# KiCad board motherboard.kicad_pcb (continued)
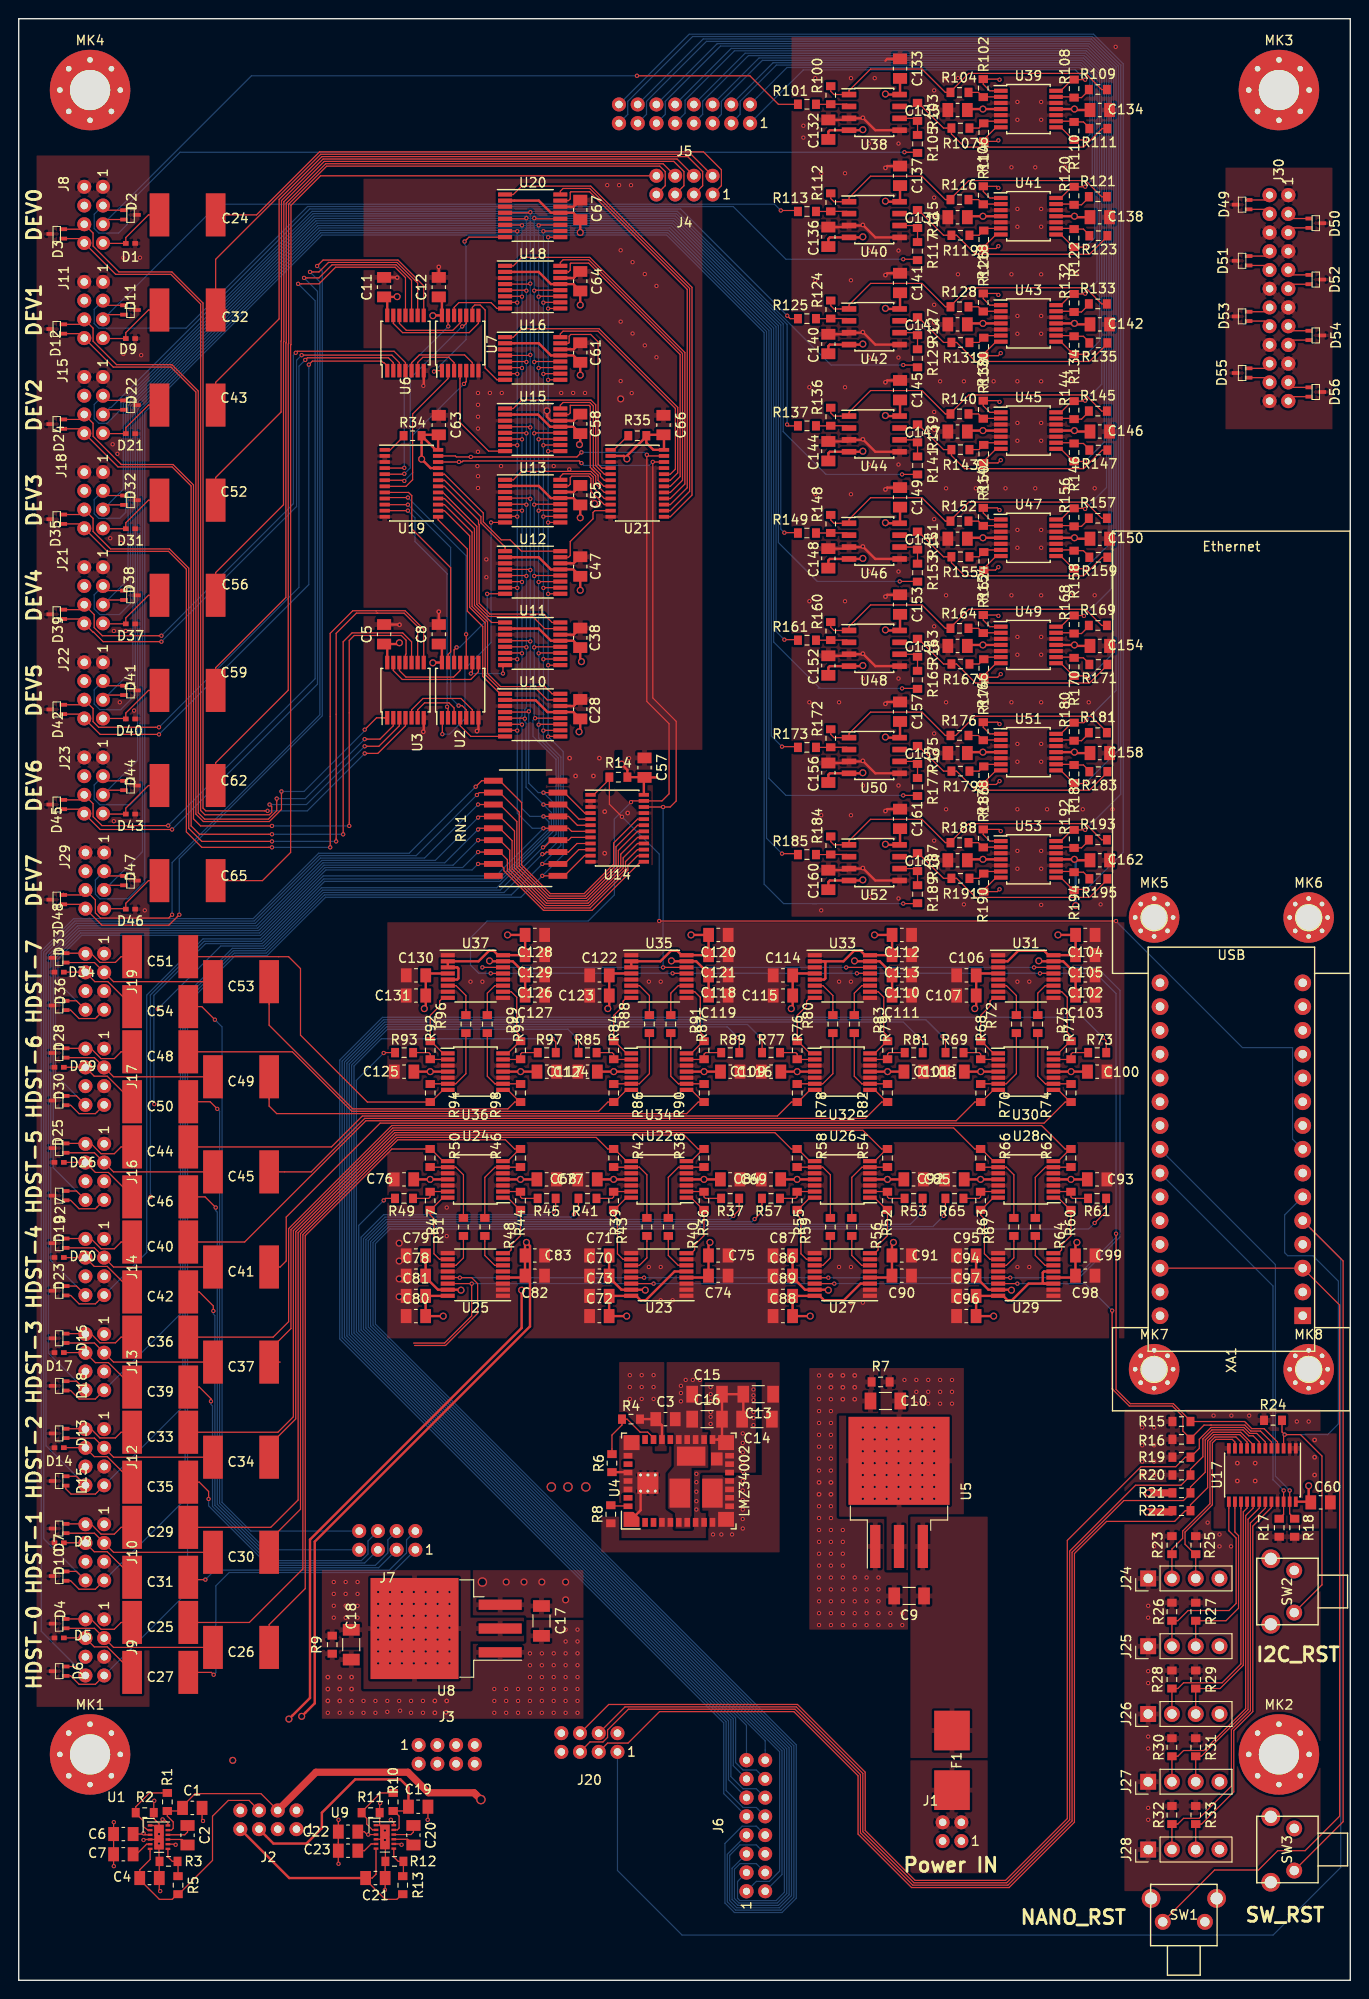
[diagram p0: board, top side]
## Placement (name value [footprint] x y rotation side) (continued)
R31  4k7Ω  [R_0603_1608Metric_Pad0.84x1.00mm_HandSolder]  125.73 24.89 270 top
R32  4k7Ω  [R_0603_1608Metric_Pad0.84x1.00mm_HandSolder]  123.19 17.65 270 top
R33  4k7Ω  [R_0603_1608Metric_Pad0.84x1.00mm_HandSolder]  125.73 17.65 270 top
R34  10kΩ  [R_0603_1608Metric_Pad0.84x1.00mm_HandSolder]  42.08 165 180 top
R35  10kΩ  [R_0603_1608Metric_Pad0.84x1.00mm_HandSolder]  66.08 165 180 top
R36  100kΩ  [R_0603_1608Metric_Pad0.84x1.00mm_HandSolder]  73.2 83.27 90 top
R37  100kΩ  [R_0603_1608Metric_Pad0.84x1.00mm_HandSolder]  75.99 83.53 0 top
R38  100kΩ  [R_0603_1608Metric_Pad0.84x1.00mm_HandSolder]  73.2 87.84 270 top
R39  100kΩ  [R_0603_1608Metric_Pad0.84x1.00mm_HandSolder]  63.55 83.27 90 top
R40  10kΩ  [R_0603_1608Metric_Pad0.84x1.00mm_HandSolder]  69.39 80.48 270 top
R41  100kΩ  [R_0603_1608Metric_Pad0.84x1.00mm_HandSolder]  60.75 83.53 180 top
R42  100kΩ  [R_0603_1608Metric_Pad0.84x1.00mm_HandSolder]  63.55 87.84 270 top
R43  10kΩ  [R_0603_1608Metric_Pad0.84x1.00mm_HandSolder]  67.1 80.48 270 top
R44  100kΩ  [R_0603_1608Metric_Pad0.84x1.00mm_HandSolder]  53.6 83.27 90 top
R45  100kΩ  [R_0603_1608Metric_Pad0.84x1.00mm_HandSolder]  56.39 83.53 0 top
R46  100kΩ  [R_0603_1608Metric_Pad0.84x1.00mm_HandSolder]  53.6 87.84 270 top
R47  100kΩ  [R_0603_1608Metric_Pad0.84x1.00mm_HandSolder]  43.95 83.27 90 top
R48  10kΩ  [R_0603_1608Metric_Pad0.84x1.00mm_HandSolder]  49.79 80.48 270 top
R49  100kΩ  [R_0603_1608Metric_Pad0.84x1.00mm_HandSolder]  41.15 83.53 180 top
R50  100kΩ  [R_0603_1608Metric_Pad0.84x1.00mm_HandSolder]  43.95 87.84 270 top
R51  10kΩ  [R_0603_1608Metric_Pad0.84x1.00mm_HandSolder]  47.5 80.48 270 top
R52  100kΩ  [R_0603_1608Metric_Pad0.84x1.00mm_HandSolder]  92.8 83.27 90 top
R53  100kΩ  [R_0603_1608Metric_Pad0.84x1.00mm_HandSolder]  95.59 83.53 0 top
R54  100kΩ  [R_0603_1608Metric_Pad0.84x1.00mm_HandSolder]  92.8 87.84 270 top
R55  100kΩ  [R_0603_1608Metric_Pad0.84x1.00mm_HandSolder]  83.15 83.27 90 top
R56  10kΩ  [R_0603_1608Metric_Pad0.84x1.00mm_HandSolder]  88.99 80.48 270 top
R57  100kΩ  [R_0603_1608Metric_Pad0.84x1.00mm_HandSolder]  80.35 83.53 180 top
R58  100kΩ  [R_0603_1608Metric_Pad0.84x1.00mm_HandSolder]  83.15 87.84 270 top
R59  10kΩ  [R_0603_1608Metric_Pad0.84x1.00mm_HandSolder]  86.7 80.48 270 top
R60  100kΩ  [R_0603_1608Metric_Pad0.84x1.00mm_HandSolder]  112.4 83.27 90 top
R61  100kΩ  [R_0603_1608Metric_Pad0.84x1.00mm_HandSolder]  115.19 83.53 0 top
R62  100kΩ  [R_0603_1608Metric_Pad0.84x1.00mm_HandSolder]  112.4 87.84 270 top
R63  100kΩ  [R_0603_1608Metric_Pad0.84x1.00mm_HandSolder]  102.75 83.27 90 top
R64  10kΩ  [R_0603_1608Metric_Pad0.84x1.00mm_HandSolder]  108.59 80.48 270 top
R65  100kΩ  [R_0603_1608Metric_Pad0.84x1.00mm_HandSolder]  99.95 83.53 180 top
R66  100kΩ  [R_0603_1608Metric_Pad0.84x1.00mm_HandSolder]  102.75 87.84 270 top
R67  10kΩ  [R_0603_1608Metric_Pad0.84x1.00mm_HandSolder]  106.3 80.48 270 top
R68  100kΩ  [R_0603_1608Metric_Pad0.84x1.00mm_HandSolder]  102.76 99.36 270 top
R69  100kΩ  [R_0603_1608Metric_Pad0.84x1.00mm_HandSolder]  99.97 99.1 180 top
R70  100kΩ  [R_0603_1608Metric_Pad0.84x1.00mm_HandSolder]  102.76 94.78 90 top
R71  100kΩ  [R_0603_1608Metric_Pad0.84x1.00mm_HandSolder]  112.41 99.36 270 top
R72  10kΩ  [R_0603_1608Metric_Pad0.84x1.00mm_HandSolder]  106.57 102.15 90 top
R73  100kΩ  [R_0603_1608Metric_Pad0.84x1.00mm_HandSolder]  115.21 99.1 0 top
R74  100kΩ  [R_0603_1608Metric_Pad0.84x1.00mm_HandSolder]  112.41 94.78 90 top
R75  10kΩ  [R_0603_1608Metric_Pad0.84x1.00mm_HandSolder]  108.86 102.15 90 top
R76  100kΩ  [R_0603_1608Metric_Pad0.84x1.00mm_HandSolder]  83.16 99.36 270 top
R77  100kΩ  [R_0603_1608Metric_Pad0.84x1.00mm_HandSolder]  80.37 99.1 180 top
R78  100kΩ  [R_0603_1608Metric_Pad0.84x1.00mm_HandSolder]  83.16 94.78 90 top
R79  100kΩ  [R_0603_1608Metric_Pad0.84x1.00mm_HandSolder]  92.81 99.36 270 top
R80  10kΩ  [R_0603_1608Metric_Pad0.84x1.00mm_HandSolder]  86.97 102.15 90 top
R81  100kΩ  [R_0603_1608Metric_Pad0.84x1.00mm_HandSolder]  95.61 99.1 0 top
R82  100kΩ  [R_0603_1608Metric_Pad0.84x1.00mm_HandSolder]  92.81 94.78 90 top
R83  10kΩ  [R_0603_1608Metric_Pad0.84x1.00mm_HandSolder]  89.26 102.15 90 top
R84  100kΩ  [R_0603_1608Metric_Pad0.84x1.00mm_HandSolder]  63.56 99.36 270 top
R85  100kΩ  [R_0603_1608Metric_Pad0.84x1.00mm_HandSolder]  60.77 99.1 180 top
R86  100kΩ  [R_0603_1608Metric_Pad0.84x1.00mm_HandSolder]  63.56 94.78 90 top
R87  100kΩ  [R_0603_1608Metric_Pad0.84x1.00mm_HandSolder]  73.21 99.36 270 top
R88  10kΩ  [R_0603_1608Metric_Pad0.84x1.00mm_HandSolder]  67.37 102.15 90 top
R89  100kΩ  [R_0603_1608Metric_Pad0.84x1.00mm_HandSolder]  76.01 99.1 0 top
R90  100kΩ  [R_0603_1608Metric_Pad0.84x1.00mm_HandSolder]  73.21 94.78 90 top
R91  10kΩ  [R_0603_1608Metric_Pad0.84x1.00mm_HandSolder]  69.66 102.15 90 top
R92  100kΩ  [R_0603_1608Metric_Pad0.84x1.00mm_HandSolder]  43.96 99.36 270 top
R93  100kΩ  [R_0603_1608Metric_Pad0.84x1.00mm_HandSolder]  41.17 99.1 180 top
R94  100kΩ  [R_0603_1608Metric_Pad0.84x1.00mm_HandSolder]  43.96 94.78 90 top
R95  100kΩ  [R_0603_1608Metric_Pad0.84x1.00mm_HandSolder]  53.61 99.36 270 top
R96  10kΩ  [R_0603_1608Metric_Pad0.84x1.00mm_HandSolder]  47.77 102.15 90 top
R97  100kΩ  [R_0603_1608Metric_Pad0.84x1.00mm_HandSolder]  56.41 99.1 0 top
R98  100kΩ  [R_0603_1608Metric_Pad0.84x1.00mm_HandSolder]  53.61 94.78 90 top
R99  10kΩ  [R_0603_1608Metric_Pad0.84x1.00mm_HandSolder]  50.06 102.15 90 top
R100  100kΩ  [R_0603_1608Metric_Pad0.84x1.00mm_HandSolder]  86.74 201.38 270 top
R101  100kΩ  [R_0603_1608Metric_Pad0.84x1.00mm_HandSolder]  84.2 200.41 180 top
R102  100kΩ  [R_0603_1608Metric_Pad0.84x1.00mm_HandSolder]  103.03 202.14 270 top
R103  100kΩ  [R_0603_1608Metric_Pad0.84x1.00mm_HandSolder]  96.01 199.6 270 top
R104  100kΩ  [R_0603_1608Metric_Pad0.84x1.00mm_HandSolder]  100.49 201.68 180 top
R105  100kΩ  [R_0603_1608Metric_Pad0.84x1.00mm_HandSolder]  96.01 196.18 270 top
R106  100kΩ  [R_0603_1608Metric_Pad0.84x1.00mm_HandSolder]  103.09 197.41 90 top
R107  100kΩ  [R_0603_1608Metric_Pad0.84x1.00mm_HandSolder]  100.6 197.87 180 top
R108  100kΩ  [R_0603_1608Metric_Pad0.84x1.00mm_HandSolder]  112.74 202.08 270 top
R109  100kΩ  [R_0603_1608Metric_Pad0.84x1.00mm_HandSolder]  115.28 201.98 0 top
R110  100kΩ  [R_0603_1608Metric_Pad0.84x1.00mm_HandSolder]  112.74 197.56 90 top
R111  100kΩ  [R_0603_1608Metric_Pad0.84x1.00mm_HandSolder]  115.33 197.82 0 top
R112  100kΩ  [R_0603_1608Metric_Pad0.84x1.00mm_HandSolder]  86.74 189.93 270 top
R113  100kΩ  [R_0603_1608Metric_Pad0.84x1.00mm_HandSolder]  84.2 188.96 180 top
R114  100kΩ  [R_0603_1608Metric_Pad0.84x1.00mm_HandSolder]  103.03 190.69 270 top
R115  100kΩ  [R_0603_1608Metric_Pad0.84x1.00mm_HandSolder]  96.01 188.15 270 top
R116  100kΩ  [R_0603_1608Metric_Pad0.84x1.00mm_HandSolder]  100.49 190.23 180 top
R117  100kΩ  [R_0603_1608Metric_Pad0.84x1.00mm_HandSolder]  96.01 184.73 270 top
R118  100kΩ  [R_0603_1608Metric_Pad0.84x1.00mm_HandSolder]  103.09 185.96 90 top
R119  100kΩ  [R_0603_1608Metric_Pad0.84x1.00mm_HandSolder]  100.6 186.42 180 top
R120  100kΩ  [R_0603_1608Metric_Pad0.84x1.00mm_HandSolder]  112.74 190.63 270 top
R121  100kΩ  [R_0603_1608Metric_Pad0.84x1.00mm_HandSolder]  115.28 190.53 0 top
R122  100kΩ  [R_0603_1608Metric_Pad0.84x1.00mm_HandSolder]  112.74 186.11 90 top
R123  100kΩ  [R_0603_1608Metric_Pad0.84x1.00mm_HandSolder]  115.33 186.37 0 top
R124  100kΩ  [R_0603_1608Metric_Pad0.84x1.00mm_HandSolder]  86.74 178.48 270 top
R125  100kΩ  [R_0603_1608Metric_Pad0.84x1.00mm_HandSolder]  84.2 177.51 180 top
R126  100kΩ  [R_0603_1608Metric_Pad0.84x1.00mm_HandSolder]  103.03 179.24 270 top
R127  100kΩ  [R_0603_1608Metric_Pad0.84x1.00mm_HandSolder]  96.01 176.7 270 top
R128  100kΩ  [R_0603_1608Metric_Pad0.84x1.00mm_HandSolder]  100.49 178.78 180 top
R129  100kΩ  [R_0603_1608Metric_Pad0.84x1.00mm_HandSolder]  96.01 173.28 270 top
R130  100kΩ  [R_0603_1608Metric_Pad0.84x1.00mm_HandSolder]  103.09 174.51 90 top
R131  100kΩ  [R_0603_1608Metric_Pad0.84x1.00mm_HandSolder]  100.6 174.97 180 top
R132  100kΩ  [R_0603_1608Metric_Pad0.84x1.00mm_HandSolder]  112.74 179.18 270 top
R133  100kΩ  [R_0603_1608Metric_Pad0.84x1.00mm_HandSolder]  115.28 179.08 0 top
R134  100kΩ  [R_0603_1608Metric_Pad0.84x1.00mm_HandSolder]  112.74 174.66 90 top
R135  100kΩ  [R_0603_1608Metric_Pad0.84x1.00mm_HandSolder]  115.33 174.92 0 top
R136  100kΩ  [R_0603_1608Metric_Pad0.84x1.00mm_HandSolder]  86.74 167.03 270 top
R137  100kΩ  [R_0603_1608Metric_Pad0.84x1.00mm_HandSolder]  84.2 166.06 180 top
R138  100kΩ  [R_0603_1608Metric_Pad0.84x1.00mm_HandSolder]  103.03 167.79 270 top
R139  100kΩ  [R_0603_1608Metric_Pad0.84x1.00mm_HandSolder]  96.01 165.25 270 top
R140  100kΩ  [R_0603_1608Metric_Pad0.84x1.00mm_HandSolder]  100.49 167.33 180 top
R141  100kΩ  [R_0603_1608Metric_Pad0.84x1.00mm_HandSolder]  96.01 161.83 270 top
R142  100kΩ  [R_0603_1608Metric_Pad0.84x1.00mm_HandSolder]  103.09 163.06 90 top
R143  100kΩ  [R_0603_1608Metric_Pad0.84x1.00mm_HandSolder]  100.6 163.52 180 top
R144  100kΩ  [R_0603_1608Metric_Pad0.84x1.00mm_HandSolder]  112.74 167.73 270 top
R145  100kΩ  [R_0603_1608Metric_Pad0.84x1.00mm_HandSolder]  115.28 167.63 0 top
R146  100kΩ  [R_0603_1608Metric_Pad0.84x1.00mm_HandSolder]  112.74 163.21 90 top
R147  100kΩ  [R_0603_1608Metric_Pad0.84x1.00mm_HandSolder]  115.33 163.47 0 top
R148  100kΩ  [R_0603_1608Metric_Pad0.84x1.00mm_HandSolder]  86.74 155.58 270 top
R149  100kΩ  [R_0603_1608Metric_Pad0.84x1.00mm_HandSolder]  84.2 154.61 180 top
R150  100kΩ  [R_0603_1608Metric_Pad0.84x1.00mm_HandSolder]  103.03 156.34 270 top
R151  100kΩ  [R_0603_1608Metric_Pad0.84x1.00mm_HandSolder]  96.01 153.8 270 top
R152  100kΩ  [R_0603_1608Metric_Pad0.84x1.00mm_HandSolder]  100.49 155.88 180 top
R153  100kΩ  [R_0603_1608Metric_Pad0.84x1.00mm_HandSolder]  96.01 150.38 270 top
R154  100kΩ  [R_0603_1608Metric_Pad0.84x1.00mm_HandSolder]  103.09 151.61 90 top
R155  100kΩ  [R_0603_1608Metric_Pad0.84x1.00mm_HandSolder]  100.6 152.07 180 top
R156  100kΩ  [R_0603_1608Metric_Pad0.84x1.00mm_HandSolder]  112.74 156.28 270 top
R157  100kΩ  [R_0603_1608Metric_Pad0.84x1.00mm_HandSolder]  115.28 156.18 0 top
R158  100kΩ  [R_0603_1608Metric_Pad0.84x1.00mm_HandSolder]  112.74 151.76 90 top
R159  100kΩ  [R_0603_1608Metric_Pad0.84x1.00mm_HandSolder]  115.33 152.02 0 top
R160  100kΩ  [R_0603_1608Metric_Pad0.84x1.00mm_HandSolder]  86.74 144.13 270 top
R161  100kΩ  [R_0603_1608Metric_Pad0.84x1.00mm_HandSolder]  84.2 143.16 180 top
R162  100kΩ  [R_0603_1608Metric_Pad0.84x1.00mm_HandSolder]  103.03 144.89 270 top
R163  100kΩ  [R_0603_1608Metric_Pad0.84x1.00mm_HandSolder]  96.01 142.35 270 top
R164  100kΩ  [R_0603_1608Metric_Pad0.84x1.00mm_HandSolder]  100.49 144.43 180 top
R165  100kΩ  [R_0603_1608Metric_Pad0.84x1.00mm_HandSolder]  96.01 138.93 270 top
R166  100kΩ  [R_0603_1608Metric_Pad0.84x1.00mm_HandSolder]  103.09 140.16 90 top
R167  100kΩ  [R_0603_1608Metric_Pad0.84x1.00mm_HandSolder]  100.6 140.62 180 top
R168  100kΩ  [R_0603_1608Metric_Pad0.84x1.00mm_HandSolder]  112.74 144.83 270 top
R169  100kΩ  [R_0603_1608Metric_Pad0.84x1.00mm_HandSolder]  115.28 144.73 0 top
R170  100kΩ  [R_0603_1608Metric_Pad0.84x1.00mm_HandSolder]  112.74 140.31 90 top
R171  100kΩ  [R_0603_1608Metric_Pad0.84x1.00mm_HandSolder]  115.33 140.57 0 top
R172  100kΩ  [R_0603_1608Metric_Pad0.84x1.00mm_HandSolder]  86.74 132.68 270 top
R173  100kΩ  [R_0603_1608Metric_Pad0.84x1.00mm_HandSolder]  84.2 131.71 180 top
R174  100kΩ  [R_0603_1608Metric_Pad0.84x1.00mm_HandSolder]  103.03 133.44 270 top
R175  100kΩ  [R_0603_1608Metric_Pad0.84x1.00mm_HandSolder]  96.01 130.9 270 top
R176  100kΩ  [R_0603_1608Metric_Pad0.84x1.00mm_HandSolder]  100.49 132.98 180 top
R177  100kΩ  [R_0603_1608Metric_Pad0.84x1.00mm_HandSolder]  96.01 127.48 270 top
R178  100kΩ  [R_0603_1608Metric_Pad0.84x1.00mm_HandSolder]  103.09 128.71 90 top
R179  100kΩ  [R_0603_1608Metric_Pad0.84x1.00mm_HandSolder]  100.6 129.17 180 top
R180  100kΩ  [R_0603_1608Metric_Pad0.84x1.00mm_HandSolder]  112.74 133.38 270 top
R181  100kΩ  [R_0603_1608Metric_Pad0.84x1.00mm_HandSolder]  115.28 133.28 0 top
R182  100kΩ  [R_0603_1608Metric_Pad0.84x1.00mm_HandSolder]  112.74 128.86 90 top
R183  100kΩ  [R_0603_1608Metric_Pad0.84x1.00mm_HandSolder]  115.33 129.12 0 top
R184  100kΩ  [R_0603_1608Metric_Pad0.84x1.00mm_HandSolder]  86.74 121.23 270 top
R185  100kΩ  [R_0603_1608Metric_Pad0.84x1.00mm_HandSolder]  84.2 120.26 180 top
R186  100kΩ  [R_0603_1608Metric_Pad0.84x1.00mm_HandSolder]  103.03 121.99 270 top
R187  100kΩ  [R_0603_1608Metric_Pad0.84x1.00mm_HandSolder]  96.01 119.45 270 top
R188  100kΩ  [R_0603_1608Metric_Pad0.84x1.00mm_HandSolder]  100.49 121.53 180 top
R189  100kΩ  [R_0603_1608Metric_Pad0.84x1.00mm_HandSolder]  96.01 116.03 270 top
R190  100kΩ  [R_0603_1608Metric_Pad0.84x1.00mm_HandSolder]  103.09 117.26 90 top
R191  100kΩ  [R_0603_1608Metric_Pad0.84x1.00mm_HandSolder]  100.6 117.72 180 top
R192  100kΩ  [R_0603_1608Metric_Pad0.84x1.00mm_HandSolder]  112.74 121.93 270 top
R193  100kΩ  [R_0603_1608Metric_Pad0.84x1.00mm_HandSolder]  115.28 121.83 0 top
R194  100kΩ  [R_0603_1608Metric_Pad0.84x1.00mm_HandSolder]  112.74 117.41 90 top
R195  100kΩ  [R_0603_1608Metric_Pad0.84x1.00mm_HandSolder]  115.33 117.67 0 top
RN1  4818P-T02-202LF  [SOM-18]  54.15 123.07 270 top
SW1  Nano Reset  [TL1105WF]  124.46 7.49 0 top
SW2  I2C Reset  [TL1105WF]  135 41.53 90 top
SW3  SPST Reset  [TL1105WF]  135 13.97 90 top
U1  LM27762  [WSON-12-1EP_3x2mm_P0.5mm]  14.99 15.29 0 top
U2  74ACT32  [TSSOP-14_4.4x5mm_P0.65mm]  47.16 137.82 90 top
U3  TS12A44514  [TSSOP-14_4.4x5mm_P0.65mm]  41.31 137.82 90 top
U4  LMZ34002  [RKG_(S-PB1QFN-N41)]  70.51 53.34 90 top
U5  LM1085-12V  [TO-263-3_TabPin4]  94.04 52.12 90 top
U6  TS12A44514  [TSSOP-14_4.4x5mm_P0.65mm]  41.31 174.91 90 top
U7  74ACT32  [TSSOP-14_4.4x5mm_P0.65mm]  47.16 174.91 90 top
U8  LM1085-5V  [TO-263-3_TabPin4]  45.66 37.58 180 top
U9  LM27762  [WSON-12-1EP_3x2mm_P0.5mm]  39.12 15.32 0 top
U10  ADG708  [TSSOP-16_4.4x5mm_P0.65mm]  54.9 135.15 0 top
U11  ADG708  [TSSOP-16_4.4x5mm_P0.65mm]  54.9 142.77 0 top
U12  ADG708  [TSSOP-16_4.4x5mm_P0.65mm]  54.9 150.39 0 top
U13  ADG708  [TSSOP-16_4.4x5mm_P0.65mm]  54.9 158.01 0 top
U14  TCA9555  [TSSOP-24_4.4x7.8mm_P0.65mm]  63.93 123.07 0 top
U15  ADG708  [TSSOP-16_4.4x5mm_P0.65mm]  54.9 165.63 0 top
U16  ADG708  [TSSOP-16_4.4x5mm_P0.65mm]  54.9 173.25 0 top
U17  TCA9548A  [TSSOP-24_4.4x7.8mm_P0.65mm]  132.84 53.98 270 top
U18  ADG708  [TSSOP-16_4.4x5mm_P0.65mm]  54.9 180.87 0 top
U19  TCA9555  [TSSOP-24_4.4x7.8mm_P0.65mm]  41.95 159.92 0 top
U20  ADG708  [TSSOP-16_4.4x5mm_P0.65mm]  54.9 188.49 0 top
U21  TCA9555  [TSSOP-24_4.4x7.8mm_P0.65mm]  66.08 159.92 0 top
U22  OPA1604  [TSSOP-14_4.4x5mm_P0.65mm]  68.37 85.56 180 top
U23  DS1882  [TSSOP-16_4.4x5mm_P0.65mm]  68.37 75.4 180 top
U24  OPA1604  [TSSOP-14_4.4x5mm_P0.65mm]  48.77 85.56 180 top
U25  DS1882  [TSSOP-16_4.4x5mm_P0.65mm]  48.77 75.4 180 top
U26  OPA1604  [TSSOP-14_4.4x5mm_P0.65mm]  87.97 85.56 180 top
U27  DS1882  [TSSOP-16_4.4x5mm_P0.65mm]  87.97 75.4 180 top
U28  OPA1604  [TSSOP-14_4.4x5mm_P0.65mm]  107.57 85.56 180 top
U29  DS1882  [TSSOP-16_4.4x5mm_P0.65mm]  107.57 75.4 180 top
U30  OPA1604  [TSSOP-14_4.4x5mm_P0.65mm]  107.59 97.07 0 top
U31  DS1882  [TSSOP-16_4.4x5mm_P0.65mm]  107.59 107.23 0 top
U32  OPA1604  [TSSOP-14_4.4x5mm_P0.65mm]  87.99 97.07 0 top
U33  DS1882  [TSSOP-16_4.4x5mm_P0.65mm]  87.99 107.23 0 top
U34  OPA1604  [TSSOP-14_4.4x5mm_P0.65mm]  68.39 97.07 0 top
U35  DS1882  [TSSOP-16_4.4x5mm_P0.65mm]  68.39 107.23 0 top
U36  OPA1604  [TSSOP-14_4.4x5mm_P0.65mm]  48.79 97.07 0 top
U37  DS1882  [TSSOP-16_4.4x5mm_P0.65mm]  48.79 107.23 0 top
U38  OPA1602  [SOIC-8_3.9x4.9mm_P1.27mm]  91.4 199.54 0 top
U39  OPA1604  [TSSOP-14_4.4x5mm_P0.65mm]  107.86 199.9 0 top
U40  OPA1602  [SOIC-8_3.9x4.9mm_P1.27mm]  91.4 188.09 0 top
U41  OPA1604  [TSSOP-14_4.4x5mm_P0.65mm]  107.86 188.45 0 top
U42  OPA1602  [SOIC-8_3.9x4.9mm_P1.27mm]  91.4 176.64 0 top
U43  OPA1604  [TSSOP-14_4.4x5mm_P0.65mm]  107.86 177 0 top
U44  OPA1602  [SOIC-8_3.9x4.9mm_P1.27mm]  91.4 165.19 0 top
U45  OPA1604  [TSSOP-14_4.4x5mm_P0.65mm]  107.86 165.55 0 top
U46  OPA1602  [SOIC-8_3.9x4.9mm_P1.27mm]  91.4 153.74 0 top
U47  OPA1604  [TSSOP-14_4.4x5mm_P0.65mm]  107.86 154.1 0 top
U48  OPA1602  [SOIC-8_3.9x4.9mm_P1.27mm]  91.4 142.29 0 top
U49  OPA1604  [TSSOP-14_4.4x5mm_P0.65mm]  107.86 142.65 0 top
U50  OPA1602  [SOIC-8_3.9x4.9mm_P1.27mm]  91.4 130.84 0 top
U51  OPA1604  [TSSOP-14_4.4x5mm_P0.65mm]  107.86 131.2 0 top
U52  OPA1602  [SOIC-8_3.9x4.9mm_P1.27mm]  91.4 119.39 0 top
U53  OPA1604  [TSSOP-14_4.4x5mm_P0.65mm]  107.86 119.75 0 top
XA1  Nano_Headers  [Nano-Header-Ethernet-4NANO]  129.54 88.77 90 top

## Library data of the parts
XA1 = -: Field4: 4x#4 PTH with vias (imp)

## Footprints (pads in the part's own frame, mm; a bottom-side part is the same pattern mirrored in y, then rotated)
C_0805_2012Metric_Pad1.15x1.50mm_HandSolder
  rect 1.145x1.5 smd: 1(-1.042,0) 2(1.042,0)
C_1206_3216Metric_Pad1.24x1.80mm_HandSolder
  rect 1.245x1.8 smd: 1(-1.593,0) 2(1.593,0)
DF11-4DP-2DSA
  round 1.5 hole 0.8: 1(1,-1) 2(1,1) 3(-1,-1) 4(-1,1)
DF11-8DP-2DSA
  round 1.5 hole 0.8: 1(3,-1) 2(3,1) 3(1,-1) 4(1,1) 5(-1,-1) 6(-1,1) 7(-3,-1) 8(-3,1)
DF11-16DP-2DSA
  round 1.524 hole 0.762: 1(7,-1) 3(5,-1) 5(3,-1) 7(1,-1) 9(-1,-1) 11(-3,-1) 13(-5,-1) 15(-7,-1)
  round 1.5 hole 0.8: 2(7,1) 4(5,1) 6(3,1) 8(1,1) 10(-1,1) 12(-3,1) 14(-5,1) 16(-7,1)
DF11-24DP-2DSA
  round 1.524 hole 0.762: 1(11,-1) 2(11,1) 3(9,-1) 4(9,1) 5(7,-1) 6(7,1) 7(5,-1) 8(5,1) 9(3,-1) 11(1,-1) 13(-1,-1) 15(-3,-1) 17(-5,-1) 19(-7,-1) 21(-9,-1) 23(-11,-1)
  round 1.5 hole 0.8: 10(3,1) 12(1,1) 14(-1,1) 16(-3,1) 18(-5,1) 20(-7,1) 22(-9,1) 24(-11,1)
DPY_(R-PX1SON-N2)
  rect 0.6x0.5 smd: 1(-0.5,0) 2(0.5,0)
Kemet_CAP_2220_5750Metric_D
  rect 2.1x4.6 smd: 1(-3,0) 2(3,0)
MountingHole_2.7mm_M2.5_Pad_Via
  round 0.8 hole 0.5: 1(-2.025,0) 1(-1.432,1.432) 1(-1.432,-1.432) 1(0,2.025) 1(0,-2.025) 1(1.432,1.432) 1(1.432,-1.432) 1(2.025,0)
  round 5.4 hole 2.7: 1(0,0)
MountingHole_4.3mm_M4_Pad_Via
  round 0.9 hole 0.6: 1(-3.225,0) 1(-2.28,2.28) 1(-2.28,-2.28) 1(0,3.225) 1(0,-3.225) 1(2.28,2.28) 1(2.28,-2.28) 1(3.225,0)
  round 8.6 hole 4.3: 1(0,0)
NANO-0154-OMNI-BLOK-Fuse-Holder
  rect 4.24x3.81 smd: 1(-3.185,0) 2(3.185,0)
Nano-Header-Ethernet-4NANO
  rect 1.788x1.788 hole 0.914: 1(-17.78,-7.62)
  round 1.788 hole 0.914: 2(-15.24,-7.62) 3(-12.7,-7.62) 4(-10.16,-7.62) 5(-7.62,-7.62) 6(-5.08,-7.62) 7(-2.54,-7.62) 8(0,-7.62) 9(2.54,-7.62) 10(5.08,-7.62) 11(7.62,-7.62) 12(10.16,-7.62) 13(12.7,-7.62) 14(15.24,-7.62) 15(17.78,-7.62) 16(17.78,7.62) 17(15.24,7.62) 18(12.7,7.62) 19(10.16,7.62) 20(7.62,7.62) 21(5.08,7.62) 22(2.54,7.62) 23(0,7.62) 24(-2.54,7.62) 25(-5.08,7.62) 26(-7.62,7.62) 27(-10.16,7.62) 28(-12.7,7.62) 29(-15.24,7.62) 30(-17.78,7.62)
PinHeader_1x04_P2.54mm_Vertical
  rect 1.7x1.7 hole 1: 1(0,0)
  oval 1.7x1.7 hole 1: 2(0,-2.54) 3(0,-5.08) 4(0,-7.62)
R_0603_1608Metric_Pad0.84x1.00mm_HandSolder
  rect 0.845x1 smd: 1(-0.963,0) 2(0.963,0)
RKG_(S-PB1QFN-N41)
  custom 1.6x1.7 smd: 1(-4.1,5.05)
  rect 0.95x0.6 smd: 2(-4.425,3.6) 3(-4.425,2.7) 4(-4.425,1.8) 5(-4.425,0.9) 6(-4.425,0) 7(-4.425,-0.9) 8(-4.425,-1.8) 9(-4.425,-2.7) 10(-4.425,-3.6) 20(4.425,-3.6) 21(4.425,-2.7) 22(4.425,-1.8) 23(4.425,-0.9) 24(4.425,0) 25(4.425,0.9) 26(4.425,1.8) 27(4.425,2.7) 28(4.425,3.6)
  rect 1.6x1.7 smd: 11(-4.1,-5.05) 19(4.1,-5.05) 29(4.1,5.05)
  rect 0.6x0.95 smd: 12(-2.7,-5.425) 13(-1.8,-5.425) 14(-0.9,-5.425) 15(0,-5.425) 16(0.9,-5.425) 17(1.8,-5.425) 18(2.7,-5.425) 30(2.7,5.425) 31(1.8,5.425) 32(0.9,5.425) 33(0,5.425) 34(-0.9,5.425) 35(-1.8,5.425) 36(-2.7,5.425)
  round 0.5 hole 0.3: 37(-1.08,4.08) 37(-1.08,3.3) 37(-1.08,2.52) 37(0.64,4.08) 37(0.64,3.3) 37(0.64,2.52)
  rect 2.3x2.25 smd: 37(-0.22,3.3)
  rect 3.1x2.2 smd: 38(-1.3,-0.11) 39(-1.3,-3.59)
  rect 1.4x1.24 smd: 40(2.35,-4.06)
  rect 2.04x3.05 smd: 41(2.65,-1.32)
SC-75_3L
  rect 0.4x0.8 smd: 1(-0.5,-0.7) 2(0.5,-0.7) 3(0,0.7)
SOIC-8_3.9x4.9mm_P1.27mm
  rect 1.55x0.6 smd: 1(-2.7,1.905) 2(-2.7,0.635) 3(-2.7,-0.635) 4(-2.7,-1.905) 5(2.7,-1.905) 6(2.7,-0.635) 7(2.7,0.635) 8(2.7,1.905)
SOM-18
  rect 0.63x2 smd: 1(-5.08,-3.45) 2(-3.81,-3.45) 3(-2.54,-3.45) 4(-1.27,-3.45) 5(0,-3.45) 6(1.27,-3.45) 7(2.54,-3.45) 8(3.81,-3.45) 9(5.08,-3.45) 10(5.08,3.45) 11(3.81,3.45) 12(2.54,3.45) 13(1.27,3.45) 14(0,3.45) 15(-1.27,3.45) 16(-2.54,3.45) 17(-3.81,3.45) 18(-5.08,3.45)
TL1105WF
  round 2 hole 1.3: 0(-3.5,1.25) 0(3.5,1.25)
  round 1.7 hole 1: 1(-2.25,-1.25) 2(2.25,-1.25)
TO-263-3_TabPin4
  rect 4.55x5.25 smd: (0.95,2.775) (0.95,-2.775) (5.8,2.775) (5.8,-2.775)
  rect 4.6x1.1 smd: 1(-5.775,2.54) 2(-5.775,0) 3(-5.775,-2.54)
  rect 9.4x10.8 smd: 4(3.375,0)
TSSOP-14_4.4x5mm_P0.65mm
  rect 1.45x0.45 smd: 1(-2.95,1.95) 2(-2.95,1.3) 3(-2.95,0.65) 4(-2.95,0) 5(-2.95,-0.65) 6(-2.95,-1.3) 7(-2.95,-1.95) 8(2.95,-1.95) 9(2.95,-1.3) 10(2.95,-0.65) 11(2.95,0) 12(2.95,0.65) 13(2.95,1.3) 14(2.95,1.95)
TSSOP-16_4.4x5mm_P0.65mm
  rect 1.5x0.45 smd: 1(-2.95,2.275) 2(-2.95,1.625) 3(-2.95,0.975) 4(-2.95,0.325) 5(-2.95,-0.325) 6(-2.95,-0.975) 7(-2.95,-1.625) 8(-2.95,-2.275) 9(2.95,-2.275) 10(2.95,-1.625) 11(2.95,-0.975) 12(2.95,-0.325) 13(2.95,0.325) 14(2.95,0.975) 15(2.95,1.625) 16(2.95,2.275)
TSSOP-24_4.4x7.8mm_P0.65mm
  rect 1.1x0.4 smd: 1(-2.85,3.575) 2(-2.85,2.925) 3(-2.85,2.275) 4(-2.85,1.625) 5(-2.85,0.975) 6(-2.85,0.325) 7(-2.85,-0.325) 8(-2.85,-0.975) 9(-2.85,-1.625) 10(-2.85,-2.275) 11(-2.85,-2.925) 12(-2.85,-3.575) 13(2.85,-3.575) 14(2.85,-2.925) 15(2.85,-2.275) 16(2.85,-1.625) 17(2.85,-0.975) 18(2.85,-0.325) 19(2.85,0.325) 20(2.85,0.975) 21(2.85,1.625) 22(2.85,2.275) 23(2.85,2.925) 24(2.85,3.575)
WSON-12-1EP_3x2mm_P0.5mm
  rect 0.5x0.25 smd: 1(-0.95,1.25) 2(-0.95,0.75) 3(-0.95,0.25) 4(-0.95,-0.25) 5(-0.95,-0.75) 6(-0.95,-1.25) 7(0.95,-1.25) 8(0.95,-0.75) 9(0.95,-0.25) 10(0.95,0.25) 11(0.95,0.75) 12(0.95,1.25)
  rect 0.95x1.17 smd: 13(0,0.685) 13(0,-0.685)
  rect 1x2.65 smd: 13(0,0)

## Nets
+2V5: C1.1 J2.4 R1.1 R21.1 R22.1 U1.11
+3V3: C60.2 U17.24 XA1.17
+5V: C5.1 C6.1 C8.1 C11.1 C12.1 C18.1 C22.1 C28.1 C38.1 C47.1 C55.1 C57.2 C58.1 C61.1 C63.2 C64.1 C66.2 C67.1 C72.2 C73.2 C80.2 C81.2 C88.2 C89.2 C96.2 C97.2 C104.2 C105.2 C112.2 C113.2 C120.2 C121.2 C128.2 C129.2 J2.1 J8.4 J9.6 J10.6 J11.4 J12.6 J13.6 J14.6 J15.4 J16.6 J17.6 J18.4 J19.6 J21.4 J22.4 J23.4 J24.1 J25.1 J26.1 J27.1 J28.1 J29.4 R9.2 R14.1 R15.1 R16.1 R17.1 R18.1 R19.1 R20.1 R23.1 R24.1 R25.1 R26.1 R27.1 R28.1 R29.1 R30.1 R31.1 R32.1 R33.1 R34.1 R35.1 U1.3 U1.8 U1.12 U2.14 U3.14 U6.14 U7.14 U8.2 U8.4 U9.3 U9.8 U9.12 U10.2 U10.13 U11.2 U11.13 U12.2 U12.13 U13.2 U13.13 U14.24 U15.2 U15.13 U16.2 U16.13 U18.2 U18.13 U19.21 U19.24 U20.2 U20.13 U21.2 U21.24 U23.5 U23.16 U25.16 U27.3 U27.16 U29.3 U29.5 U29.16 U31.2 U31.16 U33.2 U33.5 U33.16 U35.2 U35.3 U35.16 U37.2 U37.3 U37.5 U37.16 XA1.27
+5VA: C19.1 C70.2 C71.2 C78.2 C79.2 C86.2 C87.2 C94.2 C95.2 C102.2 C103.2 C110.2 C111.2 C118.2 C119.2 C126.2 C127.2 J2.5 R10.1 U9.11 U23.15 U25.15 U27.15 U29.15 U31.15 U33.15 U35.15 U37.15
+12V: C3.1 C10.1 C17.1 C69.2 C77.2 C85.2 C93.2 C101.2 C109.2 C117.2 C125.2 C133.2 C135.2 C137.2 C139.2 C141.2 C143.2 C145.2 C147.2 C149.2 C151.2 C153.2 C155.2 C157.2 C159.2 C161.2 C163.2 J2.2 R4.1 R7.2 U4.26 U5.2 U5.4 U8.3 U22.4 U24.4 U26.4 U28.4 U30.4 U32.4 U34.4 U36.4 U38.8 U39.4 U40.8 U41.4 U42.8 U43.4 U44.8 U45.4 U46.8 U47.4 U48.8 U49.4 U50.8 U51.4 U52.8 U53.4
-2.5V: C4.2 J2.6 R5.2 U1.6
-5VA: C21.2 C74.2 C75.2 C82.2 C83.2 C90.2 C91.2 C98.2 C99.2 C106.2 C107.2 C114.2 C115.2 C122.2 C123.2 C130.2 C131.2 J2.7 R13.2 U9.6 U23.4 U25.4 U27.4 U29.4 U31.4 U33.4 U35.4 U37.4
-12VA: C13.2 C14.2 C15.2 C16.2 C68.2 C76.2 C84.2 C92.2 C100.2 C108.2 C116.2 C124.2 C132.2 C134.2 C136.2 C138.2 C140.2 C142.2 C144.2 C146.2 C148.2 C150.2 C152.2 C154.2 C156.2 C158.2 C160.2 C162.2 J2.8 R6.2 U4.1 U4.4 U4.5 U4.8 U4.9 U4.16 U4.17 U4.18 U4.19 U4.20 U4.29 U4.30 U4.32 U4.33 U4.34 U4.37 U4.40 U22.11 U24.11 U26.11 U28.11 U30.11 U32.11 U34.11 U36.11 U38.4 U39.11 U40.4 U41.11 U42.4 U43.11 U44.4 U45.11 U46.4 U47.11 U48.4 U49.11 U50.4 U51.11 U52.4 U53.11
/Arduino Nano Header Connections + Ethernet connection/5V-SCL: R17.2 U17.22 XA1.24
/Arduino Nano Header Connections + Ethernet connection/5V-SDA: R18.2 U17.23 XA1.23
/Audio Mux and Control/2v5-SCL-0: J20.3 R22.2 U17.9
/Audio Mux and Control/2v5-SDA-0: J20.5 R21.2 U17.8
/Audio Mux and Control/5V-SCL-0: R16.2 U14.22 U17.5 U19.22 U21.22 U23.14 U25.14 U27.14 U29.14 U31.14 U33.14 U35.14 U37.14
/Audio Mux and Control/5V-SCL-1: J20.4 R20.2 U17.7
/Audio Mux and Control/5V-SCL-2: J24.3 R25.2 U17.11
/Audio Mux and Control/5V-SCL-3: J25.3 R27.2 U17.14
/Audio Mux and Control/5V-SCL-4: J26.3 R29.2 U17.16
/Audio Mux and Control/5V-SCL-5: J27.3 R31.2 U17.18
/Audio Mux and Control/5V-SCL-6: J28.3 R33.2 U17.20
/Audio Mux and Control/5V-SDA-0: R15.2 U14.23 U17.4 U19.23 U21.23 U23.13 U25.13 U27.13 U29.13 U31.13 U33.13 U35.13 U37.13
/Audio Mux and Control/5V-SDA-1: J20.6 R19.2 U17.6
/Audio Mux and Control/5V-SDA-2: J24.2 R23.2 U17.10
/Audio Mux and Control/5V-SDA-3: J25.2 R26.2 U17.13
/Audio Mux and Control/5V-SDA-4: J26.2 R28.2 U17.15
/Audio Mux and Control/5V-SDA-5: J27.2 R30.2 U17.17
/Audio Mux and Control/5V-SDA-6: J28.2 R32.2 U17.19
/Power Handling/+12V-F: C9.1 F1.2 U5.3
/Power Handling/VIN+: F1.1 J1.2 J1.4
GNDREF: C1.2 C3.2 C4.1 C5.2 C6.2 C7.2 C8.2 C9.2 C10.2 C11.2 C12.2 C13.1 C14.1 C15.1 C16.1 C17.2 C18.2 C19.2 C21.1 C22.2 C23.2 C28.2 C38.2 C47.2 C55.2 C57.1 C58.2 C60.1 C61.2 C63.1 C64.2 C66.1 C67.2 C68.1 C69.1 C70.1 C71.1 C72.1 C73.1 C74.1 C75.1 C76.1 C77.1 C78.1 C79.1 C80.1 C81.1 C82.1 C83.1 C84.1 C85.1 C86.1 C87.1 C88.1 C89.1 C90.1 C91.1 C92.1 C93.1 C94.1 C95.1 C96.1 C97.1 C98.1 C99.1 C100.1 C101.1 C102.1 C103.1 C104.1 C105.1 C106.1 C107.1 C108.1 C109.1 C110.1 C111.1 C112.1 C113.1 C114.1 C115.1 C116.1 C117.1 C118.1 C119.1 C120.1 C121.1 C122.1 C123.1 C124.1 C125.1 C126.1 C127.1 C128.1 C129.1 C130.1 C131.1 C132.1 C133.1 C134.1 C135.1 C136.1 C137.1 C138.1 C139.1 C140.1 C141.1 C142.1 C143.1 C144.1 C145.1 C146.1 C147.1 C148.1 C149.1 C150.1 C151.1 C152.1 C153.1 C154.1 C155.1 C156.1 C157.1 C158.1 C159.1 C160.1 C161.1 C162.1 C163.1 D1.2 D2.3 D3.3 D4.3 D5.1 D6.3 D7.3 D8.1 D9.2 D10.3 D11.3 D12.3 D13.3 D14.1 D15.3 D16.3 D17.1 D18.3 D19.3 D20.1 D21.2 D22.3 D23.3 D24.3 D25.3 D26.1 D27.3 D28.3 D29.1 D30.3 D31.2 D32.3 D33.3 D34.1 D35.3 D36.3 D37.2 D38.3 D39.3 D40.2 D41.3 D42.3 D43.2 D44.3 D45.3 D46.2 D47.3 D48.3 D49.3 D50.3 D51.3 D52.3 D53.3 D54.3 D55.3 D56.3 J1.1 J1.3 J2.3 J3.1 J3.2 J3.3 J3.4 J3.5 J3.6 J3.7 J3.8 J8.1 J8.2 J9.1 J9.5 J10.1 J10.5 J11.1 J11.2 J12.1 J12.5 J13.1 J13.5 J14.1 J14.5 J15.1 J15.2 J16.1 J16.5 J17.1 J17.5 J18.1 J18.2 J19.1 J19.5 J20.2 J20.7 J20.8 J21.1 J21.2 J22.1 J22.2 J23.1 J23.2 J24.4 J25.4 J26.4 J27.4 J28.4 J29.1 J29.2 J30.1 J30.6 J30.7 J30.12 J30.13 J30.18 J30.19 J30.24 MK1.1 MK2.1 MK3.1 MK4.1 MK5.1 MK6.1 MK7.1 MK8.1 R2.2 R3.1 R7.1 R8.2 R9.1 R11.2 R12.1 RN1.18 SW1.0 SW1.2 SW2.0 SW2.2 SW3.0 SW3.2 U1.1 U1.4 U1.13 U2.7 U3.7 U4.10 U4.11 U4.12 U4.13 U4.14 U4.15 U4.39 U5.1 U6.7 U7.7 U8.1 U9.1 U9.4 U9.13 U10.3 U10.14 U11.3 U11.14 U12.3 U12.14 U13.3 U13.14 U14.2 U14.3 U14.12 U14.21 U15.3 U15.14 U16.3 U16.14 U17.1 U17.2 U17.12 U17.21 U18.3 U18.14 U19.2 U19.3 U19.12 U20.3 U20.14 U21.3 U21.12 U21.21 U22.3 U22.5 U22.10 U22.12 U23.1 U23.2 U23.3 U23.7 U23.9 U23.12 U24.3 U24.5 U24.10 U24.12 U25.1 U25.2 U25.3 U25.5 U25.7 U25.9 U25.12 U26.3 U26.5 U26.10 U26.12 U27.1 U27.2 U27.5 U27.7 U27.9 U27.12 U28.3 U28.5 U28.10 U28.12 U29.1 U29.2 U29.7 U29.9 U29.12 U30.3 U30.5 U30.10 U30.12 U31.1 U31.3 U31.5 U31.7 U31.9 U31.12 U32.3 U32.5 U32.10 U32.12 U33.1 U33.3 U33.7 U33.9 U33.12 U34.3 U34.5 U34.10 U34.12 U35.1 U35.5 U35.7 U35.9 U35.12 U36.3 U36.5 U36.10 U36.12 U37.1 U37.7 U37.9 U37.12 U38.3 U38.5 U39.3 U39.5 U39.10 U39.12 U40.3 U40.5 U41.3 U41.5 U41.10 U41.12 U42.3 U42.5 U43.3 U43.5 U43.10 U43.12 U44.3 U44.5 U45.3 U45.5 U45.10 U45.12 U46.3 U46.5 U47.3 U47.5 U47.10 U47.12 U48.3 U48.5 U49.3 U49.5 U49.10 U49.12 U50.3 U50.5 U51.3 U51.5 U51.10 U51.12 U52.3 U52.5 U53.3 U53.5 U53.10 U53.12 XA1.4 XA1.29
/Arduino Nano Header Connections + Ethernet connection/D2_SPST: J20.1 SW3.1 XA1.5
/Arduino Nano Header Connections + Ethernet connection/D3_I2C: R24.2 SW2.1 U17.3 XA1.6
/Arduino Nano Header Connections + Ethernet connection/D5_INT: R14.2 U14.1 XA1.8
/Arduino Nano Header Connections + Ethernet connection/Nano_RST: SW1.1 XA1.3 XA1.28
/Audio Mux and Control/DEV-PTT-TRGR-0: U2.6 U3.5
/Audio Mux and Control/DEV-PTT-TRGR-1: U2.8 U3.13
/Audio Mux and Control/DEV-PTT-TRGR-2: U2.11 U3.12
/Audio Mux and Control/DEV-PTT-TRGR-3: U2.3 U3.6
/Audio Mux and Control/DEV-PTT-TRGR-4: U6.5 U7.6
/Audio Mux and Control/DEV-PTT-TRGR-5: U6.13 U7.8
/Audio Mux and Control/DEV-PTT-TRGR-6: U6.12 U7.11
/Audio Mux and Control/DEV-PTT-TRGR-7: U6.6 U7.3
/Audio Mux and Control/DEV-PTT-XBAR-CTL0: U10.1 U19.13
/Audio Mux and Control/DEV-PTT-XBAR-CTL1: U10.16 U19.15
/Audio Mux and Control/DEV-PTT-XBAR-CTL2: U10.15 U19.14
/Audio Mux and Control/DEV-PTT-XBAR-CTL3: U11.1 U19.16
/Audio Mux and Control/DEV-PTT-XBAR-CTL4: U11.16 U19.18
/Audio Mux and Control/DEV-PTT-XBAR-CTL5: U11.15 U19.17
/Audio Mux and Control/DEV-PTT-XBAR-CTL6: U12.1 U19.19
/Audio Mux and Control/DEV-PTT-XBAR-CTL7: U12.16 U19.20
/Audio Mux and Control/DEV-PTT-XBAR-CTL8: U12.15 U21.11
/Audio Mux and Control/DEV-PTT-XBAR-CTL9: U13.1 U21.8
/Audio Mux and Control/DEV-PTT-XBAR-CTL10: U13.16 U21.9
/Audio Mux and Control/DEV-PTT-XBAR-CTL11: U13.15 U21.10
/Audio Mux and Control/DEV-PTT-XBAR-CTL12: U15.1 U21.5
/Audio Mux and Control/DEV-PTT-XBAR-CTL13: U15.16 U21.6
/Audio Mux and Control/DEV-PTT-XBAR-CTL14: U15.15 U21.7
/Audio Mux and Control/DEV-PTT-XBAR-CTL15: U16.1 U21.19
/Audio Mux and Control/DEV-PTT-XBAR-CTL16: U16.16 U21.20
/Audio Mux and Control/DEV-PTT-XBAR-CTL17: U16.15 U21.4
/Audio Mux and Control/DEV-PTT-XBAR-CTL18: U18.1 U21.16
/Audio Mux and Control/DEV-PTT-XBAR-CTL19: U18.16 U21.17
/Audio Mux and Control/DEV-PTT-XBAR-CTL20: U18.15 U21.18
/Audio Mux and Control/DEV-PTT-XBAR-CTL21: U20.1 U21.13
/Audio Mux and Control/DEV-PTT-XBAR-CTL22: U20.16 U21.14
